# KiCad board oibus-mini-CCC_PANEL.kicad_pcb (continued)
## Routing (per net, layer and track width the routed paths; a pad name or vN(x,y) marks a point on that pad's centre or on a via; arc(x,y) is an arc through that point) (continued)
91.53,92.03 P1#14.3 ; U8#13.8 103.14,103.26 v2(102.64,103.76) ; R8#13.2 75.6,122.21 v2(75.7,122.31) ; C26#11.1 109.79,100.72 C16#13.2 ; C26#11.1 109.8,100.5 ; C26#11.1 v2(110.4,100.51) ; C16#13.2 108.25,104.15 Y1#14.4 ; C16#13.2 107.35,102.26 v2(107.3,102.21) ; U10#11.3 81.3,77.66 80.85,77.21 80.34,77.21 v2(80.24,77.08) ; v2(102.9,92.01) 102.51,91.62 C15#13.1 ; U8#13.47 102.39,96.63 C21#13.1 103.14,96.01 v2(103.74,95.41) ; Y1#14.2 109.82,106.37 C17#14.1 109.55,108.26 109.1,108.71 ; C22#14.1 C23#14.1 107.74,111.55 v2(108.4,112.21) ; v2(109.1,124.8) 109.79,124.11 C5#11.1 ; v2(104.9,116.11) 104.88,116.08 U3#11.30 U3#11.53 ; v2(99.2,116.21) 99.33,116.08 U3#11.26 ; U3#11.EGP7 103.47,121.08 v2(103.6,121.21) ; v2(103.6,121.21) 103.72,121.33 U3#11.EGP9 ; v2(103.6,121.21) U3#11.EGP10 102.58,123.48 103,123.91 U3#11.12 ; v2(103.6,121.21) 103.72,121.08 ; U3#11.14 101,123.81 101.42,123.38 U3#11.EGP11 101.33,122.23 v2(100.3,121.21) ; U8#13.35 94.45,100.26 C19#14.1 92.9,99.41 v2(92.5,99.01) ; C6#11.1 v2(108,84.51) ; v2(109.6,89.01) 109.9,88.71 D5#13.1 ; v2(105.7,92.41) 105.4,92.41 105.03,92.78 U7#14.2 ; U2#13.6 v2(77.1,110.51) ; v2(97.77,108.28) 97.89,108.16 U8#13.23 ; v2(94.1,107.91) 93.96,107.77 C20#14.1 ; v2(87,100.51) 86.6,100.11 U2#13.15 ; v2(90.2,103.11) 90,102.91 U2#13.16 ; v2(78.4,98.31) 78,98.71 U2#13.11 ; v2(78.4,98.31) 78.5,98.21 ; v2(78.4,98.31) 78.71,98 C13#11.2 ; H2#13.4 89.05,79.06 C9#12.1 91.3,81.97 91.3,80.81 v2(91.1,80.61) ; J2#11.6 J2#11.6 ; J2#11.6 J2#11.6 ; v2(80.24,77.08) 80.12,77.21 J2#11.5 J2#11.6 ; v2(80.24,77.08) 79.46,77.21 ; v2(101.1,79.41) 101.2,79.51 D6#14.3 ; v2(89.98,109.45) 89.98,110.02 89.5,110.51 U2#13.20 ; v2(103.75,118.61) 103.58,118.78 U3#11.EGP1 U3#11.EGP4 U3#11.EGP3 ; v4(102.7,73.61) 103.2,74.11 C14#14.1 ; 114,87.06 114.95,87.06 115.2,86.81 115.45,87.06 116.4,87.06 ; v2(124.2,89.61) 123.8,89.21 R5#10.2 ; 114.35,87.06 114.3,87.01 ; U6#11.9 115,87.51 115.05,87.56 U6#11.8 ; U2#11.5 115,114.89 v2(115.05,114.94) ; R23#12.2 v2(125.3,115.31) ; v2(116.8,115.01) 116.9,114.91 U2#11.4 ; v2(123.8,114.81) 123.8,114.66 122.6,113.46 U2#11.1 ; v2(146.75,93.46) 146.79,93.5 C25#12.2 ; U3#12.6 69.53,121.01 v2(70.35,121.83) ; v2(38.35,101.41) 38.2,101.56 37.8,101.56 ; 37.8,101.56 38.2,101.96 U2#12.10 v2(39.8,102.91) ; 37.8,101.56 37.8,98.99 38.08,98.71 SW2#13.2 ; v2(54.6,91.96) 54.53,92.03 P1#9.3 ; v2(65.64,103.76) 66.14,103.26 U8#9.8 ; v2(41.8,94.01) 42,93.81 C18#9.2 ; SW2#13.2 38.08,93.31 39.18,92.21 v2(40.2,92.21) ; U3#10.6 143.53,121.01 v2(144.35,121.83) ; v2(112.35,101.41) 112.2,101.56 111.8,101.56 ; 111.8,101.56 112.2,101.96 U2#11.10 v2(113.8,102.91) ; 111.8,101.56 111.8,98.99 112.08,98.71 SW2#12.2 ; v2(128.6,91.96) 128.53,92.03 P1#13.3 ; v2(139.64,103.76) 140.14,103.26 U8#10.8 ; v2(115.8,94.01) 116,93.81 C18#13.2 ; SW2#12.2 112.08,93.31 113.18,92.21 v2(114.2,92.21) ; v2(100.3,121.21) 100.28,121.23 U3#11.EGP12 ; v2(100.3,121.21) 100.42,121.08 U3#11.EGP8 ; C26#13.1 72.79,100.72 C16#9.2 ; C26#13.1 72.8,100.5 ; C26#13.1 v2(73.4,100.51) ; C16#9.2 71.25,104.15 Y1#9.4 ; C16#9.2 70.35,102.26 v2(70.3,102.21) ; U10#13.3 44.3,77.66 43.85,77.21 43.34,77.21 v2(43.24,77.08) ; v2(65.9,92.01) 65.51,91.62 C15#9.1 ; U8#9.47 65.39,96.63 C21#9.1 66.14,96.01 v2(66.74,95.41) ; Y1#9.2 72.82,106.37 C17#9.1 72.55,108.26 72.1,108.71 ; C22#9.1 C23#9.1 70.74,111.55 v2(71.4,112.21) ; v2(72.1,124.8) 72.79,124.11 C5#12.1 ; v2(67.9,116.11) 67.88,116.08 U3#12.30 U3#12.53 ; v2(62.2,116.21) 62.33,116.08 U3#12.26 ; v2(63.3,121.21) 63.27,121.23 U3#12.EGP12 ; v2(63.3,121.21) 63.42,121.08 U3#12.EGP8 ; v2(63.3,121.21) 64.33,122.23 U3#12.EGP11 64.42,123.38 64,123.81 U3#12.14 ; v2(66.6,121.21) 66.47,121.08 U3#12.EGP7 ; v2(66.6,121.21) 66.72,121.08 ; v2(66.6,121.21) 66.72,121.33 U3#12.EGP9 ; v2(66.6,121.21) U3#12.EGP10 65.58,123.48 66,123.91 U3#12.12 ; v2(55.5,99.01) 55.9,99.41 C19#9.1 57.45,100.26 U8#9.35 ; C6#13.1 v2(71,84.51) ; v2(72.6,89.01) 72.9,88.71 D5#12.1 ; v2(68.7,92.41) 68.4,92.41 68.03,92.78 U7#9.2 ; U2#12.6 v2(40.1,110.51) ; v2(60.77,108.28) 60.89,108.16 U8#9.23 ; v2(57.1,107.91) 56.96,107.77 C20#9.1 ; v2(50,100.51) 49.6,100.11 U2#12.15 ; v2(53.2,103.11) 53,102.91 U2#12.16 ; v2(41.4,98.31) 41,98.71 U2#12.11 ; v2(41.4,98.31) 41.5,98.21 ; v2(41.4,98.31) 41.71,98 C13#13.2 ; H2#12.4 52.05,79.06 C9#13.1 54.3,81.97 54.3,80.81 v2(54.1,80.61) ; J2#13.6 J2#13.6 ; J2#13.6 J2#13.6 ; v2(43.24,77.08) 43.12,77.21 J2#13.5 J2#13.6 ; v2(43.24,77.08) 42.46,77.21 ; v2(64.1,79.41) 64.2,79.51 D6#9.3 ; v2(52.98,109.45) 52.98,110.02 52.5,110.51 U2#12.20 ; v2(66.75,118.61) 66.58,118.78 U3#12.EGP1 U3#12.EGP4 U3#12.EGP3 ; v4(65.7,73.61) 66.2,74.11 C14#9.1 ; R8#12.2 38.6,122.21 v2(38.7,122.31) ; v2(140.75,118.61) 140.57,118.78 U3#10.EGP1 U3#10.EGP4 U3#10.EGP3 ; v4(139.7,73.61) 140.2,74.11 C14#13.1 ; R8#11.2 112.6,122.21 v2(112.7,122.31) ; U3#10.14 138,123.81 138.43,123.38 U3#10.EGP11 138.32,122.23 v2(137.3,121.21) ; v2(115.4,98.31) 115.71,98 C13#12.2 ; v2(115.4,98.31) 115,98.71 U2#11.11 ; v2(115.4,98.31) 115.5,98.21 ; v2(140.6,121.21) 140.72,121.33 U3#10.EGP9 ; v2(140.6,121.21) U3#10.EGP10 139.57,123.48 140,123.91 U3#10.12 ; v2(140.6,121.21) 140.47,121.08 U3#10.EGP7 ; v2(140.6,121.21) 140.72,121.08 ; U8#10.35 131.45,100.26 C19#10.1 129.9,99.41 v2(129.5,99.01) ; C22#13.1 C23#13.1 144.74,111.55 v2(145.4,112.21) ; v2(146.1,124.8) 146.79,124.11 C5#10.1 ; v2(141.9,116.11) 141.88,116.08 U3#10.30 U3#10.53 ; v2(136.2,116.21) 136.32,116.08 U3#10.26 ; v2(137.3,121.21) 137.28,121.23 U3#10.EGP12 ; v2(137.3,121.21) 137.43,121.08 U3#10.EGP8 ; C6#12.1 v2(145,84.51) ; v2(146.6,89.01) 146.9,88.71 D5#11.1 ; v2(142.7,92.41) 142.4,92.41 142.03,92.78 U7#13.2 ; U2#11.6 v2(114.1,110.51) ; v2(134.77,108.28) 134.89,108.16 U8#10.23 ; v2(131.1,107.91) 130.96,107.77 C20#13.1 ; v2(124,100.51) 123.6,100.11 U2#11.15 ; v2(127.2,103.11) 127,102.91 U2#11.16 ; H2#11.4 126.05,79.06 C9#11.1 128.3,81.97 128.3,80.81 v2(128.1,80.61) ; J2#12.6 J2#12.6 ; J2#12.6 J2#12.6 ; v2(117.24,77.08) 117.12,77.21 J2#12.5 J2#12.6 ; v2(117.24,77.08) 116.46,77.21 ; v2(117.24,77.08) 117.34,77.21 117.85,77.21 118.3,77.66 U10#12.3 ; C26#12.1 v2(147.4,100.51) ; C26#12.1 146.79,100.72 C16#10.2 ; C26#12.1 146.8,100.5 ; v2(140.74,95.41) 140.14,96.01 C21#10.1 139.39,96.63 U8#10.47 ; v2(138.1,79.41) 138.2,79.51 D6#13.3 ; v2(126.98,109.45) 126.98,110.02 126.5,110.51 U2#11.20 ; C16#10.2 145.25,104.15 Y1#13.4 ; C16#10.2 144.35,102.26 v2(144.3,102.21) ; v2(139.9,92.01) 139.51,91.62 C15#10.1 ; Y1#13.2 146.82,106.37 C17#13.1 146.55,108.26 146.1,108.71 ; U2#14.5 189,114.89 v2(189.05,114.94) ; R23#10.2 v2(199.3,115.31) ; v2(190.8,115.01) 190.9,114.91 U2#14.4 ; v2(197.8,114.81) 197.8,114.66 196.6,113.46 U2#14.1 ; v2(220.75,93.46) 220.79,93.5 C25#10.2 ; U3#14.12 177,123.91 176.57,123.48 U3#14.EGP10 v2(177.6,121.21) ; U8#12.35 168.45,100.26 C19#12.1 166.9,99.41 v2(166.5,99.01) ; C6#14.1 v2(182,84.51) ; v2(183.6,89.01) 183.9,88.71 D5#10.1 ; v2(179.7,92.41) 179.4,92.41 179.03,92.78 U7#12.2 ; U2#10.6 v2(151.1,110.51) ; v2(171.77,108.28) 171.89,108.16 U8#12.23 ; v2(168.1,107.91) 167.96,107.77 C20#12.1 ; v2(161,100.51) 160.6,100.11 U2#10.15 ; v2(164.2,103.11) 164,102.91 U2#10.16 ; v2(150.8,102.91) U2#10.10 149.2,101.96 148.8,101.56 ; v2(152.4,98.31) 152,98.71 U2#10.11 ; v2(152.4,98.31) 152.5,98.21 ; v2(152.4,98.31) 152.71,98 C13#14.2 ; H2#10.4 163.05,79.06 C9#10.1 165.3,81.97 165.3,80.81 v2(165.1,80.61) ; J2#14.6 J2#14.6 ; J2#14.6 J2#14.6 ; v2(154.24,77.08) 154.12,77.21 J2#14.5 J2#14.6 ; v2(154.24,77.08) 153.46,77.21 ; v2(154.24,77.08) 154.34,77.21 154.85,77.21 155.3,77.66 U10#14.3 ; C26#14.1 v2(184.4,100.51) ; C26#14.1 183.79,100.72 C16#12.2 ; C26#14.1 183.8,100.5 ; v2(177.74,95.41) 177.14,96.01 C21#12.1 176.39,96.63 U8#12.47 ; v2(175.1,79.41) 175.2,79.51 D6#12.3 ; v2(163.98,109.45) 163.98,110.02 163.5,110.51 U2#10.20 ; 177.72,121.08 v2(177.6,121.21) ; v2(177.6,121.21) 177.72,121.33 U3#14.EGP9 ; v2(177.6,121.21) 177.47,121.08 U3#14.EGP7 ; v2(177.75,118.61) 177.57,118.78 U3#14.EGP1 U3#14.EGP4 U3#14.EGP3 ; v4(176.7,73.61) 177.2,74.11 C14#12.1 ; 188,87.06 188.95,87.06 189.2,86.81 189.45,87.06 190.4,87.06 ; v2(198.2,89.61) 197.8,89.21 R5#13.2 ; 188.35,87.06 188.3,87.01 ; U6#14.9 189,87.51 189.05,87.56 U6#14.8 ; C16#12.2 182.25,104.15 Y1#12.4 ; C16#12.2 181.35,102.26 v2(181.3,102.21) ; v2(176.9,92.01) 176.51,91.62 C15#12.1 ; Y1#12.2 183.82,106.37 C17#12.1 183.55,108.26 183.1,108.71 ; C22#12.1 C23#12.1 181.74,111.55 v2(182.4,112.21) ; v2(183.1,124.8) 183.79,124.11 C5#14.1 ; v2(178.9,116.11) 178.88,116.08 U3#14.30 U3#14.53 ; v2(173.2,116.21) 173.32,116.08 U3#14.26 ; U3#14.14 175,123.81 175.43,123.38 U3#14.EGP11 175.32,122.23 v2(174.3,121.21) ; v2(183.75,93.46) 183.79,93.5 C25#14.2 ; 153.4,87.06 152.45,87.06 152.2,86.81 151.95,87.06 151,87.06 ; U6#13.8 152.05,87.56 152,87.51 U6#13.9 ; U3#14.6 180.53,121.01 v2(181.35,121.83) ; v2(165.6,91.96) 165.53,92.03 P1#12.3 ; U8#12.8 177.14,103.26 v2(176.64,103.76) ; R8#10.2 149.6,122.21 v2(149.7,122.31) ; U2#10.1 159.6,113.46 160.8,114.66 v2(160.8,114.81) ; v2(152.8,94.01) 153,93.81 C18#12.2 ; v2(151.2,92.21) 150.18,92.21 149.08,93.31 SW2#14.2 ; R5#14.2 160.8,89.21 v2(161.2,89.61) ; 148.8,101.56 148.8,98.99 149.08,98.71 SW2#14.2 ; 148.8,101.56 149.2,101.56 v2(149.35,101.41) ; 151.35,87.06 151.3,87.01 ; U2#10.4 153.9,114.91 v2(153.8,115.01) ; R23#14.2 v2(162.3,115.31) ; v2(152.05,114.94) 152,114.89 U2#10.5 ; v2(174.3,121.21) 174.28,121.23 U3#14.EGP12 ; v2(174.3,121.21) 174.43,121.08 U3#14.EGP8 ; v2(189.8,94.01) 190,93.81 C18#11.2 ; SW2#10.2 186.08,93.31 187.18,92.21 v2(188.2,92.21) ; 185.8,101.56 185.8,98.99 186.08,98.71 SW2#10.2 ; 185.8,101.56 186.2,101.96 U2#14.10 v2(187.8,102.91) ; 185.8,101.56 186.2,101.56 v2(186.35,101.41) ; U3#13.6 217.53,121.01 v2(218.35,121.83) ; v2(202.6,91.96) 202.53,92.03 P1#11.3 ; v2(213.64,103.76) 214.14,103.26 U8#14.8 ; v2(214.75,118.61) 214.57,118.78 U3#13.EGP1 U3#13.EGP4 U3#13.EGP3 ; v4(213.7,73.61) 214.2,74.11 C14#11.1 ; R8#14.2 186.6,122.21 v2(186.7,122.31) ; U3#13.14 212,123.81 212.43,123.38 U3#13.EGP11 212.32,122.23 v2(211.3,121.21) ; v2(189.4,98.31) 189.71,98 C13#10.2 ; v2(189.4,98.31) 189,98.71 U2#14.11 ; v2(189.4,98.31) 189.5,98.21 ; U3#16.12 251,123.91 250.57,123.48 U3#16.EGP10 v2(251.6,121.21) ; U8#15.35 242.45,100.26 C19#15.1 240.9,99.41 v2(240.5,99.01) ; C6#16.1 v2(256,84.51) ; v2(257.6,89.01) 257.9,88.71 D5#15.1 ; v2(253.7,92.41) 253.4,92.41 253.03,92.78 U7#16.2 ; U2#15.6 v2(225.1,110.51) ; v2(245.77,108.28) 245.89,108.16 U8#15.23 ; v2(242.1,107.91) 241.96,107.77 C20#16.1 ; v2(235,100.51) 234.6,100.11 U2#15.15 ; v2(238.2,103.11) 238,102.91 U2#15.16 ; v2(224.8,102.91) U2#15.10 223.2,101.96 222.8,101.56 ; v2(226.4,98.31) 226,98.71 U2#15.11 ; v2(226.4,98.31) 226.5,98.21 ; v2(226.4,98.31) 226.71,98 C13#16.2 ; H2#15.4 237.05,79.06 C9#15.1 239.3,81.97 239.3,80.81 v2(239.1,80.61) ; J2#16.6 J2#16.6 ; J2#16.6 J2#16.6 ; v2(228.24,77.08) 228.12,77.21 J2#16.5 J2#16.6 ; v2(228.24,77.08) 227.46,77.21 ; v2(228.24,77.08) 228.34,77.21 228.85,77.21 229.3,77.66 U10#16.3 ; C26#16.1 v2(258.4,100.51) ; C26#16.1 257.79,100.72 C16#15.2 ; C26#16.1 257.8,100.5 ; v2(251.74,95.41) 251.14,96.01 C21#15.1 250.39,96.63 U8#15.47 ; v2(249.1,79.41) 249.2,79.51 D6#16.3 ; v2(237.98,109.45) 237.98,110.02 237.5,110.51 U2#15.20 ; 251.72,121.08 v2(251.6,121.21) ; v2(251.6,121.21) 251.47,121.08 U3#16.EGP7 ; v2(251.6,121.21) 251.72,121.33 U3#16.EGP9 ; v2(251.75,118.61) 251.57,118.78 U3#16.EGP1 U3#16.EGP4 U3#16.EGP3 ; v4(250.7,73.61) 251.2,74.11 C14#16.1 ; 262,87.06 262.95,87.06 263.2,86.81 263.45,87.06 264.4,87.06 ; v2(272.2,89.61) 271.8,89.21 R5#15.2 ; 262.35,87.06 262.3,87.01 ; U2#16.5 263,114.89 v2(263.05,114.94) ; R23#15.2 v2(273.3,115.31) ; v2(264.8,115.01) 264.9,114.91 U2#16.4 ; v2(271.8,114.81) 271.8,114.66 270.6,113.46 U2#16.1 ; v2(294.75,93.46) 294.79,93.5 C25#15.2 ; C26#10.1 220.79,100.72 C16#14.2 ; C26#10.1 220.8,100.5 ; C26#10.1 v2(221.4,100.51) ; C16#14.2 219.25,104.15 Y1#11.4 ; C16#14.2 218.35,102.26 v2(218.3,102.21) ; U10#10.3 192.3,77.66 191.85,77.21 191.34,77.21 v2(191.24,77.08) ; v2(213.9,92.01) 213.51,91.62 C15#14.1 ; U8#14.47 213.39,96.63 C21#14.1 214.14,96.01 v2(214.74,95.41) ; Y1#11.2 220.82,106.37 C17#11.1 220.55,108.26 220.1,108.71 ; U8#14.23 208.89,108.16 v2(208.77,108.28) ; v2(205.1,107.91) 204.96,107.77 C20#11.1 ; v2(198,100.51) 197.6,100.11 U2#14.15 ; v2(201.2,103.11) 201,102.91 U2#14.16 ; H2#14.4 200.05,79.06 C9#14.1 202.3,81.97 202.3,80.81 v2(202.1,80.61) ; J2#10.6 J2#10.6 ; J2#10.6 J2#10.6 ; v2(191.24,77.08) 191.12,77.21 J2#10.5 J2#10.6 ; v2(191.24,77.08) 190.46,77.21 ; v2(212.1,79.41) 212.2,79.51 D6#11.3 ; v2(200.98,109.45) 200.98,110.02 200.5,110.51 U2#14.20 ; 214.72,121.08 v2(214.6,121.21) ; v2(214.6,121.21) 214.72,121.33 U3#13.EGP9 ; v2(214.6,121.21) U3#13.EGP10 213.57,123.48 214,123.91 U3#13.12 ; v2(214.6,121.21) 214.47,121.08 U3#13.EGP7 ; U8#14.35 205.45,100.26 C19#13.1 203.9,99.41 v2(203.5,99.01) ; C22#11.1 C23#11.1 218.74,111.55 v2(219.4,112.21) ; v2(220.1,124.8) 220.79,124.11 C5#13.1 ; v2(215.9,116.11) 215.88,116.08 U3#13.30 U3#13.53 ; v2(210.2,116.21) 210.32,116.08 U3#13.26 ; v2(211.3,121.21) 211.28,121.23 U3#13.EGP12 ; v2(211.3,121.21) 211.43,121.08 U3#13.EGP8 ; C6#10.1 v2(219,84.51) ; v2(220.6,89.01) 220.9,88.71 D5#14.1 ; v2(216.7,92.41) 216.4,92.41 216.03,92.78 U7#11.2 ; U2#14.6 v2(188.1,110.51) ; U3#15.6 291.53,121.01 v2(292.35,121.83) ; v2(260.35,101.41) 260.2,101.56 259.8,101.56 ; 259.8,101.56 260.2,101.96 U2#16.10 v2(261.8,102.91) ; 259.8,101.56 259.8,98.99 260.08,98.71 SW2#15.2 ; v2(276.6,91.96) 276.53,92.03 P1#15.3 ; v2(287.64,103.76) 288.14,103.26 U8#16.8 ; v2(263.8,94.01) 264,93.81 C18#15.2 ; SW2#15.2 260.08,93.31 261.18,92.21 v2(262.2,92.21) ; v2(227.8,115.01) 227.9,114.91 U2#15.4 ; R23#16.2 v2(236.3,115.31) ; v2(234.8,114.81) 234.8,114.66 233.6,113.46 U2#15.1 ; v2(226.05,114.94) 226,114.89 U2#15.5 ; v2(248.3,121.21) 248.28,121.23 U3#16.EGP12 ; v2(248.3,121.21) 248.43,121.08 U3#16.EGP8 ; v2(248.3,121.21) 249.32,122.23 U3#16.EGP11 249.43,123.38 249,123.81 U3#16.14 ; R8#15.2 223.6,122.21 v2(223.7,122.31) ; v2(226.8,94.01) 227,93.81 C18#16.2 ; v2(225.2,92.21) 224.18,92.21 223.08,93.31 SW2#16.2 ; R5#16.2 234.8,89.21 v2(235.2,89.61) ; U6#15.9 226,87.51 226.05,87.56 U6#15.8 ; 222.8,101.56 222.8,98.99 223.08,98.71 SW2#16.2 ; 222.8,101.56 223.2,101.56 v2(223.35,101.41) ; 225.35,87.06 225.3,87.01 ; 225,87.06 225.95,87.06 226.2,86.81 226.45,87.06 227.4,87.06 ; v2(257.75,93.46) 257.79,93.5 C25#16.2 ; U3#16.6 254.53,121.01 v2(255.35,121.83) ; v2(239.6,91.96) 239.53,92.03 P1#16.3 ; U8#15.8 251.14,103.26 v2(250.64,103.76) ; U6#16.9 263,87.51 263.05,87.56 U6#16.8 ; C16#15.2 256.25,104.15 Y1#16.4 ; C16#15.2 255.35,102.26 v2(255.3,102.21) ; v2(250.9,92.01) 250.51,91.62 C15#15.1 ; Y1#16.2 257.82,106.37 C17#16.1 257.55,108.26 257.1,108.71 ; C22#16.1 C23#16.1 255.74,111.55 v2(256.4,112.21) ; v2(257.1,124.8) 257.79,124.11 C5#16.1 ; v2(252.9,116.11) 252.88,116.08 U3#16.30 U3#16.53 ; v2(247.2,116.21) 247.32,116.08 U3#16.26 ; U3#15.14 286,123.81 286.43,123.38 U3#15.EGP11 286.32,122.23 v2(285.3,121.21) ; v2(263.4,98.31) 263.71,98 C13#15.2 ; v2(263.4,98.31) 263,98.71 U2#16.11 ; v2(263.4,98.31) 263.5,98.21 ; v2(288.75,118.61) 288.57,118.78 U3#15.EGP1 U3#15.EGP4 U3#15.EGP3 ; v4(287.7,73.61) 288.2,74.11 C14#15.1 ; R8#16.2 260.6,122.21 v2(260.7,122.31) ; v2(277.5,99.01) 277.9,99.41 C19#16.1 279.45,100.26 U8#16.35 ; C6#15.1 v2(293,84.51) ; v2(294.6,89.01) 294.9,88.71 D5#16.1 ; v2(290.7,92.41) 290.4,92.41 290.03,92.78 U7#15.2 ; U2#16.6 v2(262.1,110.51) ; v2(282.77,108.28) 282.89,108.16 U8#16.23 ; v2(288.6,121.21) 288.73,121.33 U3#15.EGP9 ; v2(288.6,121.21) U3#15.EGP10 287.57,123.48 288,123.91 U3#15.12 ; v2(288.6,121.21) 288.48,121.08 U3#15.EGP7 ; v2(288.6,121.21) 288.73,121.08 ; C22#15.1 C23#15.1 292.74,111.55 v2(293.4,112.21) ; v2(294.1,124.8) 294.79,124.11 C5#15.1 ; v2(289.9,116.11) 289.88,116.08 U3#15.30 U3#15.53 ; v2(284.2,116.21) 284.32,116.08 U3#15.26 ; v2(285.3,121.21) 285.27,121.23 U3#15.EGP12 ; v2(285.3,121.21) 285.43,121.08 U3#15.EGP8 ; v2(279.1,107.91) 278.96,107.77 C20#15.1 ; v2(272,100.51) 271.6,100.11 U2#16.15 ; v2(275.2,103.11) 275,102.91 U2#16.16 ; H2#16.4 274.05,79.06 C9#16.1 276.3,81.97 276.3,80.81 v2(276.1,80.61) ; J2#15.6 J2#15.6 ; J2#15.6 J2#15.6 ; v2(265.24,77.08) 265.12,77.21 J2#15.5 J2#15.6 ; v2(265.24,77.08) 264.46,77.21 ; v2(265.24,77.08) 265.34,77.21 265.85,77.21 266.3,77.66 U10#15.3 ; C26#15.1 v2(295.4,100.51) ; C26#15.1 294.79,100.72 C16#16.2 ; C26#15.1 294.8,100.5 ; v2(288.74,95.41) 288.14,96.01 C21#16.1 287.39,96.63 U8#16.47 ; v2(286.1,79.41) 286.2,79.51 D6#15.3 ; v2(274.98,109.45) 274.98,110.02 274.5,110.51 U2#16.20 ; C16#16.2 293.25,104.15 Y1#15.4 ; C16#16.2 292.35,102.26 v2(292.3,102.21) ; v2(287.9,92.01) 287.51,91.62 C15#16.1 ; Y1#15.2 294.82,106.37 C17#15.1 294.55,108.26 294.1,108.71 ; 35.1,240.71 35.55,240.26 C17#24.1 35.82,238.37 Y1#24.2 ; C22#24.1 C23#24.1 33.74,243.55 v2(34.4,244.21) ; v2(35.1,256.8) 35.79,256.11 C5#23.1 ; v2(30.9,248.11) 30.88,248.08 U3#23.30 U3#23.53 ; v2(25.2,248.21) 25.32,248.08 U3#23.26 ; v2(26.3,253.21) 26.27,253.23 U3#23.EGP12 ; v2(26.3,253.21) 26.43,253.08 U3#23.EGP8 ; v2(26.3,253.21) 27.32,254.23 U3#23.EGP11 27.43,255.38 27,255.81 U3#23.14 ; v2(29.6,253.21) 29.48,253.08 U3#23.EGP7 ; v2(29.6,253.21) 29.73,253.08 ; v2(29.6,253.21) 29.73,253.33 U3#23.EGP9 ; v2(29.6,253.21) U3#23.EGP10 28.57,255.48 29,255.91 U3#23.12 ; U3#27.6 106.53,253.01 v2(107.35,253.83) ; v2(91.6,223.96) 91.53,224.03 P1#30.3 ; U8#29.8 103.14,235.26 v2(102.64,235.76) ; v2(29.75,250.61) 29.57,250.78 U3#23.EGP1 U3#23.EGP4 U3#23.EGP3 ; v4(28.7,205.61) 29.2,206.11 C14#24.1 ; R8#23.2 1.6,254.21 v2(1.7,254.31) ; U2#23.1 11.6,245.46 12.8,246.66 v2(12.8,246.81) ; C26#23.1 35.79,232.72 C16#25.2 ; C26#23.1 35.8,232.5 ; C26#23.1 v2(36.4,232.51) ; C16#25.2 34.25,236.15 Y1#24.4 ; C16#25.2 33.35,234.26 v2(33.3,234.21) ; U10#24.3 7.3,209.66 6.85,209.21 6.34,209.21 v2(6.24,209.08) ; v2(28.9,224.01) 28.51,223.62 C15#25.1 ; U8#25.47 28.39,228.63 C21#25.1 29.14,228.01 v2(29.74,227.41) ; U8#25.35 20.45,232.26 C19#25.1 18.9,231.41 v2(18.5,231.01) ; C6#24.1 v2(34,216.51) ; v2(35.6,221.01) 35.9,220.71 D5#23.1 ; v2(31.7,224.41) 31.4,224.41 31.03,224.78 U7#24.2 ; U2#23.6 v2(3.1,242.51) ; v2(23.77,240.28) 23.89,240.16 U8#25.23 ; v2(20.1,239.91) 19.96,239.77 C20#24.1 ; v2(13,232.51) 12.6,232.11 U2#23.15 ; v2(16.2,235.11) 16,234.91 U2#23.16 ; v2(2.8,234.91) U2#23.10 1.2,233.96 0.8,233.56 ; v2(4.4,230.31) 4,230.71 U2#23.11 ; v2(4.4,230.31) 4.5,230.21 ; v2(4.4,230.31) 4.71,230 C13#25.2 ; H2#23.4 15.05,211.06 C9#24.1 17.3,213.97 17.3,212.81 v2(17.1,212.61) ; J2#24.6 J2#24.6 ; J2#24.6 J2#24.6 ; v2(6.24,209.08) 6.12,209.21 J2#24.5 J2#24.6 ; v2(6.24,209.08) 5.46,209.21 ; v2(27.1,211.41) 27.2,211.51 D6#24.3 ; v2(15.98,241.45) 15.98,242.02 15.5,242.51 U2#23.20 ; v2(5.8,247.01) 5.9,246.91 U2#23.4 ; R23#23.2 v2(14.3,247.31) ; v2(4.05,246.94) 4,246.89 U2#23.5 ; v2(35.75,225.46) 35.79,225.5 C25#23.2 ; 5.4,219.06 4.45,219.06 4.2,218.81 3.95,219.06 3,219.06 ; 3.35,219.06 3.3,219.01 ; U6#24.8 4.05,219.56 4,219.51 U6#24.9 ; v2(13.2,221.61) 12.8,221.21 R5#23.2 ; v2(4.8,226.01) 5,225.81 C18#24.2 ; v2(3.2,224.21) 2.18,224.21 1.08,225.31 SW2#25.2 ; 0.8,233.56 0.8,230.99 1.08,230.71 SW2#25.2 ; 0.8,233.56 1.2,233.56 v2(1.35,233.41) ; P1#24.3 17.53,224.03 v2(17.6,223.96) ; U3#23.6 32.53,253.01 v2(33.35,253.83) ; v2(28.64,235.76) 29.14,235.26 U8#25.8 ; 74.8,233.56 75.2,233.56 v2(75.35,233.41) ; 74.8,233.56 75.2,233.96 U2#29.10 v2(76.8,234.91) ; 74.8,233.56 74.8,230.99 75.08,230.71 SW2#27.2 ; 77.35,219.06 77.3,219.01 ; 77,219.06 77.95,219.06 78.2,218.81 78.45,219.06 79.4,219.06 ; R23#29.2 v2(51.3,247.31) ; v2(42.8,247.01) 42.9,246.91 U2#28.4 ; v2(49.8,246.81) 49.8,246.66 48.6,245.46 U2#28.1 ; U2#29.4 79.9,246.91 v2(79.8,247.01) ; R23#27.2 v2(88.3,247.31) ; v2(86.8,246.81) 86.8,246.66 85.6,245.46 U2#29.1 ; v2(78.05,246.94) 78,246.89 U2#29.5 ; v2(41.05,246.94) 41,246.89 U2#28.5 ; v2(109.75,225.46) 109.79,225.5 C25#27.2 ; C25#29.2 72.79,225.5 v2(72.75,225.46) ; U6#23.8 78.05,219.56 78,219.51 U6#23.9 ; R5#28.2 49.8,221.21 v2(50.2,221.61) ; v2(78.8,226.01) 79,225.81 C18#30.2 ; v2(77.2,224.21) 76.18,224.21 